# Altium PCB Monitoring.PcbDoc (continued)
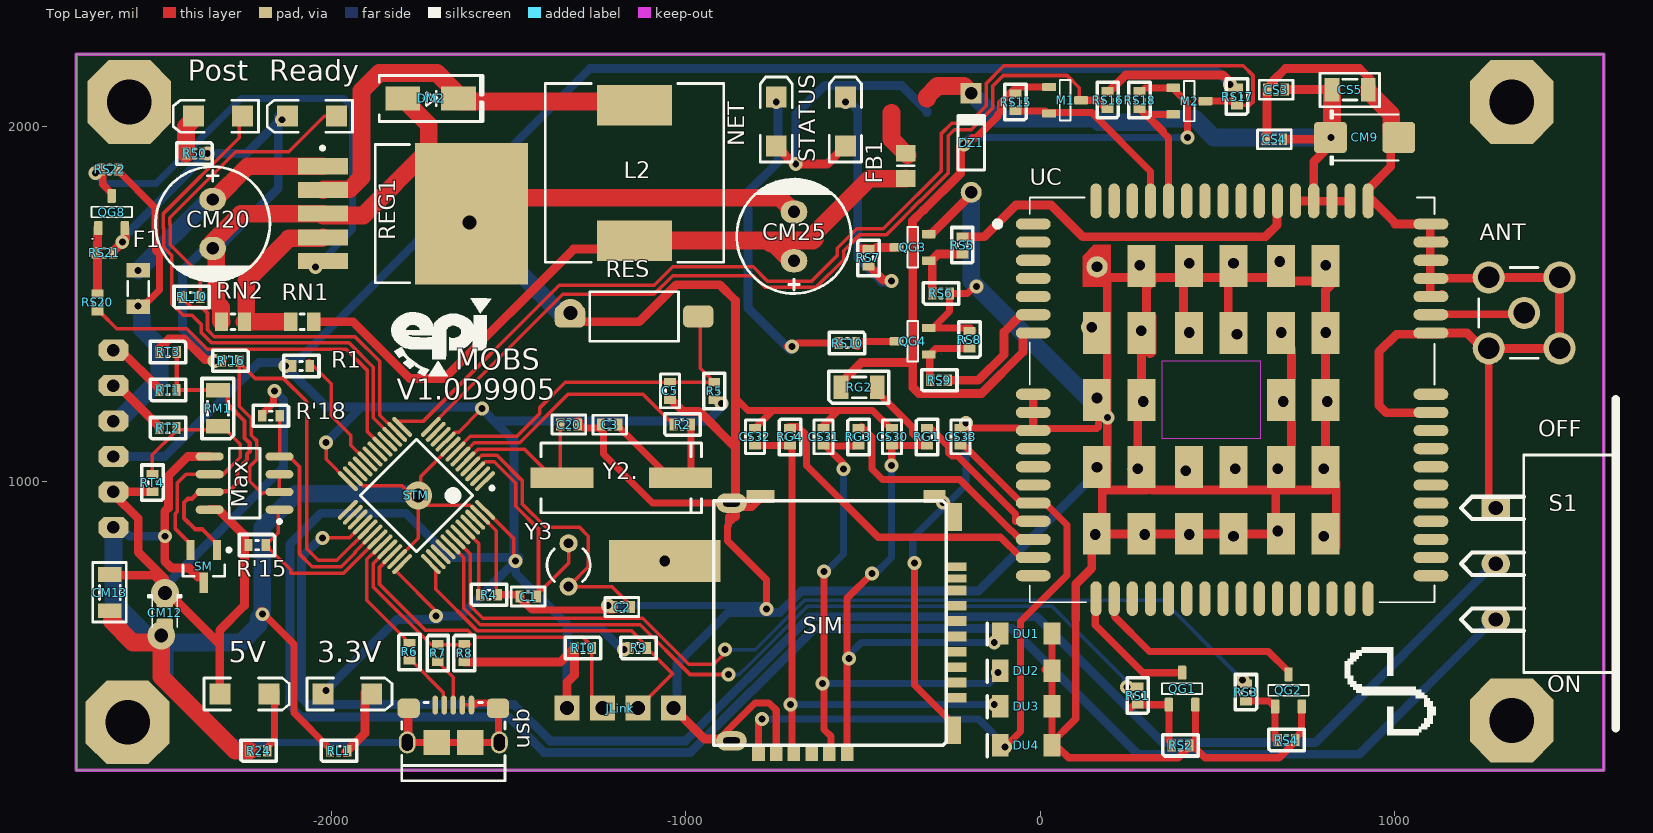
[diagram p0: Top Layer view]
## Footprints (in the part's own frame and the unit in brackets; to place one, negate y for a bottom-side part, rotate by r counter-clockwise, add the part's x,y. Pads: shape width x height; smd on the part's side, far side on the other; paste and mask are expansions set on the pad) (continued)
  oval 80x70 hole 40: 2(0,0) 3(0,-157.48)
  silkscreen extent -98,-465 339,465, body extent -69,-462 660,462, height 356
"TE FSMSMTR" [mm]
  rrect50% 1.6x2.19 smd: 1(0,4.595) 2(0,-4.595)
  silkscreen extent -1.78,-3.17 1.78,3.17, body extent -1.75,-4.98 1.75,4.98, height 4.42
TO-263-5 [mm]
  rect 3.6x1.15 smd: 1(-6.45,3.4) 2(-6.45,1.7) 3(-6.45,0) 4(-6.45,-1.7) 5(-6.45,-3.4)
  rect 8.1x10.15 smd paste-5: 6(4.2,0)
  silkscreen extent -6.6,-4.95 -0.25,4.95, body extent -7.31,-5.08 7.33,5.08, height 4.57
"XTAL RTC - Right" [mm]
  round 1.3 hole 0.7: 1(0,1.55) 2(0,-1.55)
  rect 8x3 hole 0.762 unplated: 3(6.878,0.276)
  silkscreen extent -1.55,-1.19 1.55,1.17, body extent -0.54,-1.44 10.23,2.01, height 3.1

## Part data
3.3V 5V NET Post Ready STATUS: library part LED, "Chip LED"
  NET Post Ready STATUS: Price=845
ANT: library part "RF Connector - SMA", Price=42500
C1 C2 C3 C5 C20 CM13 CS3 CS4 CS5 CS30 CS31 CS32 CS33: library part Cap-Bipolar, "Bipolar Capacitor", Voltage=100V
  C1 C2 CS4: ComponentLink1Description="Buy Link", ComponentLink1URL=http://nikushop.com/index.php?id_product=9021&controller=product&search_query=10PF-0603&results=1, Price=1173
  C3 C20 CS3 CS30 CS31 CS32: ComponentLink1Description="Buy Link", ComponentLink1URL=http://nikushop.com/index.php?id_product=9033&controller=product, Price=902
  C5 CS33: ComponentLink1Description="Buy Link", ComponentLink1URL=http://nikushop.com/index.php?id_product=13570&controller=product&search_query=1uF-0603&results=1, Price=2346
  CM13 CS5: Adding Date=1387/12/20, Designer="Saeid Jorablo", Organazation=ControTec
CM9 CM12: library part Cap-Polar, "Polar Capacitor", Voltage=16V, Adding Date=1387/12/20, Designer="Saeid Jorablo", Organazation=ControTec
CM20: library part Cap-Polar, "Polar Capacitor", Voltage=63V, Adding Date=1387/12/20, Designer="Saeid Jorablo", Organazation=ControTec
CM25: library part Cap-Polar, "Polar Capacitor", Voltage=25V, Adding Date=1387/12/20, Designer="Saeid Jorablo", Organazation=ControTec
DM2: library part "Diode 1N4148", "High Conductance Fast Diode", Code_JEDEC=DO-204-AH, ComponentLink1Description="Manufacturer Link", ComponentLink1URL=http://www.fairchildsemi.com/, ComponentLink2Description=Datasheet, ComponentLink2URL=http://www.fairchildsemi.com/ds/1N%2F1N4148.pdf, DatasheetVersion=1997, LatestRevisionDate=17-Jul-2002, LatestRevisionNote="Re-released for DXP Platform.", PackageDescription="Diode, Axial; Body 3.8 x 1.9 mm (LxDia. max), Lead Dia. 0.53 mm (max)", PackageReference=DO-35, Published=8-Jun-2000, Publisher="Altium Limited"
DU1 DU2 DU3 DU4: library part "Diode Zener", "Zener Diode"
DZ1: library part "D Zener", "Zener Diode", Voltage=5.1, Price=1840
F1: library part "Fuse 2", "Fuse", Current=0.5A, LatestRevisionDate=17-Jul-2002, LatestRevisionNote="Re-released for DXP Platform.", PackageDescription="Thru-Hole; 2 Leads", PackageReference=PIN-W2/E2.8, Published=8-Jun-2000, Publisher="Altium Limited"
FB1: library part Inductor, "Inductor", Code_IEC=1005, Code_JEITA=0402, LatestRevisionDate=29-May-2009, LatestRevisionNote="IPC-7351 Footprint Added.", PackageDescription="Chip Inductor", PackageReference=0805, Published=8-Jun-2000, Publisher="Altium Limited"
JLink: library part "Header 1*4"
M1 M2: library part 2N7002ET1G, Manufacturer="On Semiconductor", Package Type=SOT-23-3, Supplier Part Number 1=2N7002ET1GOSTR-ND, Channel Polarity="N Channel", Ciss Typ (pF)=26.7, ComponentLink1Description="Manufacturer URL", ComponentLink1URL=http://www.onsemi.com/, ComponentLink2Description=Datasheet, ComponentLink2URL=http://www.onsemi.com/pub_link/Collateral/2N7002E-D.PDF, ComponentLink3Description="Package Specification", ComponentLink3URL=http://www.onsemi.cn/pub_link/Collateral/318-08.PDF, Configuration=Single, Coss Typ (pF)=4.6, Crss Typ (pF)=2.9, DatasheetVersion="Rev. 3", ID Max (A)=0.31, Mounting Technology="Surface Mount", PackageDescription="3-Pin Small Outline Transistor, Body 2.92 x 1.3 mm, Pitch 0.95 mm", PackageReference=SOT-23-3-318-08, PackageVersion="Rev. AP, 11/2009", Packing="Tape and Reel", PartNumber=2N7002ET1G, RoHS=Pb-Free, Supplier 1=Digi-Key, Supplier 2=Digi-Key, Supplier 3=Digi-Key, Supplier 4=Farnell, Supplier 5=Farnell, Supplier 6=Newark, Supplier 7=Newark, Supplier 8=Mouser, Supplier Part Number 2=2N7002ET1GOSCT-ND, Supplier Part Number 3=2N7002ET1GOSDKR-ND, Supplier Part Number 4=2317895, Supplier Part Number 5=2317616, Supplier Part Number 6=09R9861, Supplier Part Number 7=50M2216, Supplier Part Number 8=863-2N7002ET1G, V(BR)DSS Min (V)=60, VGS(th) Max (V)=2.5, VGS Max (V)=20
Max: library part MAX485CPA, Price=14700
P1: "Header, 6-Pin, Right Angle", LatestRevisionDate=17-Jul-2002, LatestRevisionNote="Re-released for DXP Platform.", Publisher="Altium Limited"
QG1 QG2 QG3 QG4 QG8: library part NPN_MMBT3904, "Transistor SMD NPN 40V 0.2A 250mW SOT-23", Manufacturer 1="Fairchild Semiconductor", Manufacturer 2="NXP Semiconductors", Manufacturer Part Number 2=PMBT3904,215, Package / Case=SOT-23, Ratings="40V; 200mA; 250mW", Supplier Part Number 1=MMBT3904FSCT-ND, ComponentLink1Description=http://www.fairchildsemi.com/ds/MM/MMBT3904.pdf, ComponentLink1URL=http://www.fairchildsemi.com/ds/MM/MMBT3904.pdf, ComponentLink2Description=http://www.nxp.com/documents/data_sheet/PMBT3904.pdf, ComponentLink2URL=http://www.nxp.com/documents/data_sheet/PMBT3904.pdf, Manufacturer Part Number 1=BC848, Material=Si, Mounting Type="Surface Mount", SCDType=source, Supplier 1=Digi-Key, Supplier 2=Digi-Key, Supplier Part Number 2=568-1741-1-ND, Transistor Type=NPN
R1 R4 R5 R6 R7 R8 R9 R10 RG1 RG2 RG3 RG4: library part Resistor, "Resistor", ComponentLink1Description="Buy Link"
  R1 R4 R5 R9 R10: ComponentLink1URL=http://www.roboeq.ir/products/detail/%D9%85%D9%82%D8%A7%D9%88%D9%85%D8%AA%2010%20%DA%A9%DB%8C%D9%84%D9%88%20%D8%A7%D9%87%D9%85%20SMD%200603/, Price=394
  R6 R7 RG1 RG2 RG3 RG4: ComponentLink1URL="20R Resistor R5, R6 RES 0603 (1608X06L) Resistor 2 276 552 http://nikushop.com/index.php?id_product=13587&controller=product", Price=276
  R8: ComponentLink1URL=http://kaelectronic.ir/index.php?route=product/product&product_id=6863&search=15kohm+0603, Price=597
R2 R24 R50 R'15 R'16 R'18 RL1 RL10 RM1 RN1 RN2 RS1 RS2 RS3 RS4 RS5 RS6 RS7 RS8 RS9 RS10 RS15 RS16 RS17 RS18 RS20 RS21 RS22 RT1 RT2 RT3 RT4: library part Resistor, "Resistor", Power=1/4W
  R50: Price=276
  R'15 R'16 R'18 RM1 RS15 RS16 RS17 RS18 RT1 RT2 RT3 RT4: Price=394
  RN1: Price=506
  RN2: Price=680
REG1: library part LM2596, Price=5700
RES: library part "SPST-NO 2 PIN", ComponentLink1Description="Buy Link", ComponentLink1URL=https://eshop.eca.ir/%D8%AA%DA%A9-%D8%B3%D9%88%D8%A6%DB%8C%DA%86/6472-%D8%AA%DA%A9-%D8%B3%D9%88%D8%A6%DB%8C%DA%86-smd-%D8%B3%D8%A7%DB%8C%D8%B2-3x6x25-%D8%B2%D8%B1%D8%AF-%D8%A8%D8%B3%D8%AA%D9%87-10-%D8%AA%D8%A7%DB%8C%DB%8C.html, Price=1900
S1: "Subminiator SPDT Switch", Company=E.P.I.L, Design Date=2011/11/02
STM: "STM32 ARM-based 32-bit MCU with 128 Kbytes Flash, 48-pin LQFP, Industrial Temperature", ComponentLink1Description="Manufacturer Link", ComponentLink1URL=www.st.com/stm32, ComponentLink2Description=Datasheet, ComponentLink2URL=http://www.st.com/stonline/products/literature/ds/13587.pdf, DatasheetVersion="rev6, Mar-2008", PackageDescription="48-Pin Low-Profile Quad Flat Pack, 7 x 7 mm Body, 0.5 mm Pitch (LQFP48)", PackageReference=LQFP48, PackageVersion=Mar-2008, Published=30-May-2008, Publisher="Altium Limited"
usb: library part "USB 2.0 Type B Micro", ComponentLink1Description="Buy Link", ComponentLink1URL=http://nikushop.com/index.php?id_product=11066&controller=product, Price=14934
Y2. Y3: library part XTAL, "XTAL Crystal"
  Y2.: Price=20000
  Y3: ComponentLink1Description="Buy Link", ComponentLink1URL=http://www.roboeq.ir/products/detail/%DA%A9%D8%B1%DB%8C%D8%B3%D8%AA%D8%A7%D9%84%2032.768%20%DA%A9%DB%8C%D9%84%D9%88%D9%87%D8%B1%D8%AA%D8%B2/, Price=5900
L2: Code_IEC=1005, Code_JEITA=0402, LatestRevisionDate=29-May-2009, LatestRevisionNote="IPC-7351 Footprint Added.", PackageDescription="Chip Inductor", PackageReference=0402-A, Published=8-Jun-2000, Publisher="Altium Limited"
SIM: Price=166770

## Free pads (board coordinates)
  oct 236.22x236.22 hole 125.98: 0(-2575,320) 0(-2570,2070) 0(1330,325) 0(1330,2070)
  round 60 hole 30: 1(805,1610) 2(675,1620) 3(545,1615) 4(420,1615) 5(280,1610) 6(160,1605) 7(145,1435) 8(285,1425) 9(420,1420) 10(555,1415) 11(680,1420) 12(805,1420) 13(810,1225) 14(685,1225) 15(290,1225) 16(160,1235) 17(160,1040) 18(275,1035) 19(410,1030) 20(550,1035) 21(670,1035) 22(800,1035) 23(800,845) 24(670,860) 25(545,845) 26(420,850) 27(295,850) 28(155,850)

## Via types
v1: diameter 39.37, hole 19.68, Top Layer to Bottom Layer, 52 vias
v2: diameter 78.74, hole 39.37, Top Layer to Bottom Layer, 5 vias

## Nets (pads, with @x,y where several pads share a name; then routed paths per layer and width w, separated by ;. In a path a pad name is that pad's centre, name@x,y a point inside that pad or via, vN(x,y) a via of type N, cw(c..) or ccw(c..) an arc to the next point about the centre after c; other vN are vias at no path point)
3.3v: 3.3V.1 JLink.4 P1.4 R1.1 R5.1 R8.2 R9.1 R10.2 RS16.2 RS17.2 S1.3 STM.9 STM.24 STM.36 STM.48 | length 13437.6
  Top Layer w10: v1@-2015,1100 -2015,1061.89 STM.24 ; STM.36 -1818.51,748.38 -1818.51,747.19 v1@-1700,628.68 ; STM.9 -1677.39,1111.72 -1650.25,1138.85 -1641.15,1138.85 v1@-1580,1200 ; STM.48 -1485,838.11 v1@-1485,775
  Top Layer w25: R8.2@-1625,490 -1353.99,490 -1318.22,525.77 -1314.68,525.77 R10.2@-1313.99,526.46 ; JLink.4@-1335,365 -1335,432.93 -1313.99,453.94 R10.2@-1313.99,526.46 ; R10.2 R10.2@-1313.99,526.46 ; RS16.2@195,2100 241.75,2146.75 514.7,2146.75 RS17.2@551.46,2110
  Bottom Layer w25: P1.4 -2470,1070 -2205,1335 -2140,1335 -2130,1345 -2090,1345 -1270.37,2164.63 490.37,2164.63 v1(535,2120) ; v1(-2130,1325) -2015,1210 -1915,1210 ; v1(-2015,1110) -1915,1210 ; v1@-2005,405 -2005,420.75 -1815.75,610 v1@-1700,610 ; v1(-1705,620) -1635,620 -1485,770 v1@-1485,785 ; v1@-1580,1210 -1915,1210 ; v1(-1575,1205) -1540,1170 ; v1(-1480,775) -1480,740 -1335,595 -1335,585 ; v1@-1470,785 v1@-1485,785 ; JLink.4@-1325,375 -1327.07,375 -1335,382.93 -1335,585 ; v1@-1185,530 -1240,585 -1335,585 ; v1@-895,1215 -940,1170 -1540,1170 ; S1.3 1280,610.04 899.96,230 275,230 -80.06,585.06 -214.94,585.06 -215,585 -636.46,585 -811.46,410 -812.39,410 -987.39,235 -1400,235 -1500,335 -2085,335 -2118.29,368.29 -2118.29,389 -2117.13,390.17 -2117.13,822.87 -2030,910 -1789.49,910 -1664.49,785 v1@-1485,785 ; -1540,1170 -1485,1115 v1@-1485,785
  other v1: -2015,410 -1175,525 -900,1220
9V: F1.2 P1.3 RS22.1 | length 865
  Top Layer w20: RS22.1 -2601.01,1875.08 -2497.87,1771.94 -2497.87,1662.18 -2495.75,1660.06 -2495.75,1650.58 -2485,1639.83 -2485,1540 F1.2@-2535,1490
  Bottom Layer w50: P1.3 -2602.14,1170 -2485,1287.14 -2485,1380 -2535,1430 -2535,1480 v1@-2545,1490
  other v1: -2545,1495
485+_Comm: Max.6 RM1.1 RT2.2 RT4.2 SM.2 | length 770.6
  Top Layer w10: RT4.2 -2505,1075 -2443.83,1136.17 -2443.83,1138.27 -2437.09,1145 RT2.2@-2435,1145 ; RT2.2@-2430,1145 -2330,1145 RM1.1 -2307.2,1155 -2257.2,1105 -2257.2,1067.8 Max.6@-2310,1015 ; SM.2 -2397.4,822.99 -2440,865.59 -2440,909.12 -2434.63,914.49 -2434.63,995.37 -2410,1020 -2355,1020 Max.6@-2350,1025
485-_Comm: Max.7 RM1.2 RT1.2 RT3.1 SM.1 | length 863.1
  Top Layer w12: RT3.1 -2436.01,1256.01 RT1.2@-2434.35,1254.35 ; RT1.2@-2430,1250 RT1.2@-2434.35,1254.35 ; Max.7@-2375,970 -2375,969.13 -2393.32,950.81 -2404.95,950.81 -2415.75,940 -2415.75,895.75 -2385,865 -2364.61,865 -2322.6,822.99 SM.1 ; Max.7@-2325,970 -2322.78,972.22 -2287.78,972.22 -2265,995 -2265,1033.31 -2238.33,1059.98 -2238.33,1076.67 -2230,1085 -2230,1107.5 -2245,1122.5 -2245,1170 -2292.54,1217.54 -2292.54,1242.54 -2307.2,1257.2 RM1.2 -2320.3,1257.5 -2431.2,1257.5 RT1.2@-2434.35,1254.35
A11: R6.1 STM.32 | length 342.5
  Top Layer w10: STM.32@-1860.98,815.98 -1881.89,795.07 -1884.93,795.07 -1900,780 -1900,663.99 -1791.73,555.72 -1791.73,550.8 -1784.92,543.99 R6.1
A12: R7.1 R8.1 STM.33 | length 458.3
  Top Layer w10: STM.33@-1845,805 -1845.4,805 -1882.13,768.28 -1882.13,701.85 -1802.26,621.99 -1801.99,621.99 -1720,540 R7.1 -1699.5,539.5 -1610.5,539.5 R8.1@-1610,540
A15: STM.38
B12: STM.25
B13: STM.26
B14: STM.27
B15: S1.2 STM.28 | length 4523.6
  Top Layer w10: v1@-2020,835 -2014.18,840.82 -1948.78,840.82 STM.28
  Bottom Layer w25: v1@-2027.5,842.5 -2084.25,785.75 -2084.25,389 -2065.19,369.94 -1484.94,369.94 -1382.87,267.87 -1001.01,267.87 -826.01,442.87 -825.08,442.87 -650.02,617.93 -9.59,617.93 345.47,262.87 775.35,262.87 1280,767.52 S1.2
  other v1: -2025,840
C13: Post.1 STM.15 | length 1507.2
  Top Layer w10: -2475,1715 -2475,1753.95 -2260,1968.95 Post.1@-2260,2035 ; -2472.87,1715 -2472.87,1660.06 -2450,1637.18 -2450,1500 -2418.25,1468.25 -2393.25,1468.25 -2367.43,1442.43 -2367.43,1419.69 -2338.17,1390.43 -1950.43,1390.43 -1881.52,1321.52 -1881.52,1178.95 STM.15
ChA_Mon: P1.2 RT2.1 | length 173.7
  Top Layer w25: P1.2@-2610,1265 -2597.46,1265 -2486.01,1153.54 RT2.1
ChB_Mon: P1.1 RT1.1 | length 157.7
  Top Layer w25: P1.1@-2594.96,1370 -2486.01,1261.04 RT1.1
Co1: STM.2
CS485_Comm: Max.2 Max.3 R'16.1 STM.29 | length 1401.6
  Top Layer w10: R'16.1@-2260,1335 -2259.92,1335 -2257.46,1332.54 -2214.92,1290 -2135,1290 -2070,1225 -2070,810 -2037.02,777.02 -1984.74,777.02 STM.29 ; R'16.1@-2255,1335 -2260,1330 -2260,1211.69 -2226.13,1177.82 -2226.13,1130.32 -2211.13,1115.32 -2211.13,1060.49 -2230,1041.62 -2230,1000 -2195,965 -2192.61,967.39 -2142.61,967.39 Max.2@-2140,970 ; Max.2@-2150,975 -2147.87,975 -2146.57,976.29 Max.3 ; STM.29@-1897.16,863.32 STM.29@-1890.24,870.24
GND: ANT.G C1.1 C2.1 C3.2 C5.2 C20.2 CM9.2 CM12.2 CM13.2 CM20.2 CM25.2 CS3.2 CS4.2 CS5.2 CS30.2 CS31.2 CS32.1 CS33.2 DM2.1 DU1.1 DU2.1 DU3.1 DU4.1 DZ1.1 JLink.1 Max.5 P1.6 pad.1 pad.2 pad.3 pad.4 pad.5 pad.6 pad.7 pad.8 pad.9 pad.10 pad.11 pad.12 pad.13 pad.14 pad.15 pad.16 pad.17 pad.18 pad.19 pad.20 pad.21 pad.22 pad.23 pad.24 pad.25 pad.26 pad.27 pad.28 QG1.2 QG2.2 QG3.2 QG4.2 QG8.2 R4.2 R24.1 R50.1 R'16.2 Ready.2 REG1.3 REG1.6 RES.1 RL1.1 RN2.2 RS2.2 RS4.2 RS6.2 RS8.2 RS21.2 RT3.2 S1.1 SIM.0 SIM.C5 SM.3 STM.8 STM.23 STM.35 STM.47 UC.8 UC.42 UC.44 UC.45 UC.46 UC.47 UC.48 UC.49 UC.65 UC.67 UC.68 UC.81 UC.82 UC.83 UC.84 UC.85 UC.86 UC.87 UC.88 UC.89 UC.90 UC.91 UC.92 UC.93 UC.94 UC.95 UC.96 UC.97 UC.98 UC.99 UC.100 UC.101 UC.102 UC.103 UC.104 UC.105 UC.106 UC.107 UC.108 usb.4 usb.5 usb.S | length 28792.6
  Top Layer w10: STM.23 -1939.07,1014.29 -1911.94,987.15 -1800.76,987.15 v2@-1783.6,970 ; STM.35 -1755,839.73 v2@-1755,950 ; v2@-1747.39,977.61 -1747.39,1014.37 STM.8 ; v2@-1732.85,932.85 -1608.06,932.85 -1580.93,905.71 STM.47 ; usb.4 -1629.25,370 usb.5@-1610,370 ; STM.47@-1580,905 -1579.73,905 -1535,860.27 R4.2@-1535,680
  Top Layer w20: v1@-2200,635 -2105,540 -2105,345.93 -2003.99,244.92 RL1.1 ; usb.S@-1785.91,263.54 -1703.23,263.54 -1608.74,263.54 -1533.19,263.54 usb.S@-1528.03,258.38 ; -1595,370 -1590,375 -1545,375 -1530,360 -1528.03,358.03 usb.S@-1528.03,258.38 ; R4.2@-1530,680 C1.1@-1471.31,680 ; C1.1@-1465,680 -1465,665.68 -1435.82,636.5 C2.1@-1203.5,636.5 ; C20.2@-1300,1170 -1305.5,1170 -1305.5,1166.81 -1288.69,1150 -1245,1150 -1232.5,1137.5 -1232.5,1077.5 -1093.74,938.74 -871.38,938.74 -864.66,945.46 -822.14,945.46 -810.16,957.44 SIM.0@-789.49,957.44 ; JLink.1@-1040,355 JLink.1@-1030,355 ; SIM.0@-898.6,278.95 -881.05,278.95 SIM.0@-880,280 ; SIM.0@-890,283.7 -890,290 -805,375 -765,375 -745,355 SIM.C5 ; -880,900 -880,876.02 -882.52,873.5 -882.52,832.21 -772.52,722.21 v1(-772.52,639.21) ; -870,890 -870,900 ; SIM.0@-860,926.3 -813.58,926.3 SIM.0@-785.96,953.92 ; -860,1235 -859.94,1234.94 -825,1200 -755,1200 ; CS32.1@-800,1155 -755,1200 ; CS31.2@-615,1155 -570,1200 ; CS30.2 -423.25,1150.09 -473.17,1200 -570,1200 ; v1(-355,770) -355,425.12 -255,325.12 SIM.0@-255,295 ; QG4.2 QG4.2@-302.6,1432.4 ; SIM.0@-299.49,957.44 -290.79,948.74 -274.09,948.74 -242.44,917.09 SIM.0@-242.44,899.37 ; CS33.2 -63.43,1150.09 -58.35,1145 UC.8@-40,1145 ; RS8.2@-190,1425 -197.4,1432.4 QG4.2@-302.6,1432.4 ; v1(-180,1550) -185.24,1550 -205.24,1530 RS6.2 -256.01,1478.99 QG4.2@-302.6,1432.4 ; UC.8@4.69,1148.54 159.65,1148.54 164.69,1153.58 164.69,1165 ; UC.68@4.69,1194.53 UC.68@9.88,1199.72 ; DU2.1@12.84,467.84 DU2.1@12.84,470.49 ; DU4.1@20,255 32.84,267.84 DU3.1 DU2.1 DU1.1 ; 100,610 100,330 29.16,259.16 26.66,256.66 25.23,255.23 36.46,244 56,244 80,220 389.92,220 420,250.08 RS2.2 ; QG1.2 437.4,272.4 RS2.2 ; RS4.2@720,265 718.91,265 673.91,220 465,220 430,255 RS2.2 ; RS4.2@720,275 720,275.93 737.4,293.33 QG2.2 ; ANT.G@1250,1360 1265,1345 1265,945 S1.1 ; usb.S@-1528.03,258.38 -1525,255.35 -1525,255 -1528.03,258.03 usb.S@-1528.03,258.38 ; -755,1200 -570,1200
  Top Layer w25: RS21.2 -2616.01,1648.54 -2580,1684.55 QG8.2@-2580,1710 ; RT3.2@-2485,1375 -2457.89,1402.11 -2415.76,1402.11 -2356.4,1342.75 -2331.13,1342.75 -2330,1343.88 -2326.12,1340 R'16.2 ; v1@-2475,845 v1(-2470,845) -2465,845 -2470,850 -2470,915 -2460,925 -2460,1015 -2405,1070 Max.5 ; v1@-2470,840 -2470,775 -2450,755 -2401.26,755 -2376.04,729.78 -2360.69,729.78 -2360,729.09 SM.3 ; usb.S@-1790,265 -1783.94,271.06 -1783.94,358.03 usb.S@-1781.97,360 ; RES.1@-1334.78,1478.88 RES.1@-1328.41,1472.5 ; RES.1@-1330.91,1470 RES.1@-1325.91,1465 ; RES.1@-1320,1450 -1131.3,1450 -1026.66,1554.64 -904.64,1554.64 -860,1510 -860,1236.65 -859.94,1236.59 -859.94,1234.94 -859.94,1203.41 -860,1203.35 -860,1095 ; C5.2 -1041.46,1230.5 -1008.06,1197.11 -962.11,1197.11 -860,1095 ; JLink.1@-1030,355 -948.24,273.24 -877.14,273.24 SIM.0@-871.38,267.48 ; -860,900 SIM.0@-860,926.3 ; SIM.0@-860,955.46 -860,1095 ; QG3.2 -308.23,1697.4 -203.82,1801.81 -196.81,1801.81 DZ1.1@-195,1800 ; UC.8@-25,1145 -21.23,1145 -20,1146.23 UC.68 UC.67 ; 100,610 100,710.14 145,755.14 145,850.35 144.33,851.02 pad.28@174.69,851.02 ; UC.104 185,1581.93 185,1580 ; pad.28@174.69,830 pad.28@174.69,851.02 ; 189.02,975 299.69,975 ; 189.02,1561.93 189.02,995 174.69,980.67 pad.28@174.69,851.02 ; 190,1575 UC.95@404.17,1575 ; pad.15@275,1225 pad.18 275,1004.69 299.69,980 ; 299.37,1484.37 300,1485 300,1546.93 UC.99@315,1561.93 ; pad.15@304.69,1241.17 285,1260.86 285,1363.83 304.69,1383.51 UC.100@304.69,1454.68 ; UC.100@309.69,1360 315,1365.32 UC.100@315,1465 ; 315,975 664.02,975 ; UC.96@395,1390 404.17,1399.17 UC.95@404.17,1575 ; pad.4@404.17,1606.93 UC.95@404.17,1575 ; UC.92@530,1390 530.16,1390.16 UC.91@530.16,1575 ; pad.3@530.16,1606.93 UC.91@530.16,1575 ; CS4.2@640,1970 640,2104.5 CS3.2 640.5,2108.54 657.31,2125.35 657.31,2130.17 691.77,2164.63 900.37,2164.63 CS5.2@930,2135 ; pad.21@664.02,1020 664.02,975 ; UC.86@704.69,1565 831.61,1565 805,1538.39 pad.12 805,984.69 814.69,975 708.7,975 ; UC.86@705.16,1565.47 695.63,1575 UC.91@530.16,1575 ; UC.87@708.7,1372.95 708.7,975 ; UC.85@834.69,815 UC.84@834.69,995 ; UC.49 924.88,1824.33 988.76,1888.21 988.76,1938.21 1020.55,1970 CM9.2@1025,1970 ; UC.49@935,1795 1004.09,1725.91 UC.48@1098,1725.91 ; 1000,1725.04 UC.48@1087.24,1725.04 ; UC.65@1087.24,1193.54 976.46,1193.54 955,1215 955,1365 1005,1415 UC.42@1120,1415 ; UC.45@1088.49,1572.74 UC.45@1100,1572.74 ; UC.44@1100,1530 UC.45@1100,1572.74 ; UC.47 UC.47@1100,1672.68 ; UC.48 UC.48@1098,1725.91 ; UC.42@1120,1417.95 1204.29,1417.95 ANT.G@1247.24,1375 ; UC.44@1131.93,1526.5 UC.44@1133.17,1527.74 ; UC.47@1131.93,1677.24 UC.47@1134.69,1680 ; ANT.G@1255,1580 1247.74,1572.74 UC.45@1100,1572.74 ; ANT.G@1260,1365 1270,1375 1465,1375 1465,1575 ANT.G@1265,1575 ; pad.28@174.69,851.02 664.02,851.02 664.02,975 ; UC.95@404.17,1575 UC.91@530.16,1575 ; 664.02,975 708.7,975 ; UC.48@1098,1725.91 1100,1723.91 UC.47@1100,1672.68 ; UC.45@1100,1572.74 UC.47@1100,1672.68
  Top Layer w50: -2620,605 -2560,545 -2480,545 -2480,448.66 -2271.34,240 R24.1 ; CM20.2@-2337.8,1672.2 -2255,1755 REG1.3 ; CM20.2@-2325,1659.41 -2325,1503.84 -2311.68,1490.52 -2311.68,1451.72 RN2.2 ; REG1.3@-2023.94,1750 -1910,1750 -1725,1935 -1725,2006.26 DM2.1 ; REG1.6 -1604.65,1795.35 -1600,1800 -735,1800 CM25.2 ; CS5.2 925,2100.87 990.2,2035.67 990.2,1989.29 999.49,1980 CM9.2@1005,1980
  Bottom Layer w20: v2@-2505,550 v2@-2497.5,557.5 ; v2@-2455,545 -2455,425 -2293.54,263.54 usb.S@-1785.91,263.54 ; CM20.2@-2345,1670 -2340,1665 CM20.2@-2330,1655 ; v1(-1220,650) -788.55,650 -778.55,640 v1@-775,640 ; v1@-360,775 -360,840 -210,990 v1(-210,1165)
  Bottom Layer w25: P1.6 -2595,870 -2570,845 v1(-2470,845) ; v1(-2590,1675) -2590,1685 v1(-2350,1925) -2239.25,1925 v1@-2150,2014.25 ; v1@-2357.75,1922.25 -2356.64,1922.25 -2355,1923.89 v1@-2355,1925 ; CM20.2@-2355,1655 -2360,1655 -2420,1595 -2420,1430 v1(-2330,1340) ; CM20.2@-2340,1665 CM20.2@-2332.2,1665 ; CM20.2@-2312.2,1665 -2150,1827.2 v1@-2150,2014.25 ; v1@-2150,2030 v1@-2150,2014.25 ; JLink.1@-1025,370 -1025,485 -880,630 v1@-775,630 ; SIM.0@-887.13,267.48 SIM.0@-871.38,267.48 ; v1@-772.52,630 -745,630 ; -735,630 -674.63,690.37 -175,690.37 189.69,1055.06 v1(189.69,1180) 189.69,1180.31 pad.16@140,1230
  Bottom Layer w50: P1.6@-2620,870 -2615,865 -2615,660 v2@-2505,550 ; P1.6 P1.6@-2610.36,865.36 ; v2@-2500,560 -2497.5,557.5 -2485,545 -2455,545 -2255,545 -2205,595 v1@-2205,615 ; v1(-2195,625) -2195,870 -2100,965 v2@-1770,965 ; v2(-1610,1730) -1345.5,1465.5 -1330.5,1465.5 v2@-1325,1460 ; DZ1.1 -195,1565 v1(-180,1550) pad.16@140,1230
  other v1: -275,940 -2140,2020
  other v2: -2480,565 -1755,960 -1325.91,1475
GSM_ANT: ANT.S UC.43 | length 284.2
  Top Layer w20: UC.43@1087.24,1469.13 1089.44,1471.33 1102.91,1471.33 1368.67,1471.33 ANT.S@1370,1470
LEDGSM: RL10.1 STM.14 | length 881.2
  Top Layer w10: RL10.1@-2415,1511.09 -2394.31,1490.39 -2365.12,1490.39 -2349.55,1474.83 -2349.55,1427.1 -2330.77,1408.31 -1933.31,1408.31 -1863.64,1338.64 -1863.64,1186.36 -1843.98,1166.69 -1842.7,1166.69 -1814.93,1138.92 STM.14@-1808,1132
Net3.3V_2: 3.3V.2 RL1.2 | length 192.8
  Top Layer w25: RL1.2@-1960,235 RL1.2 -1905,290 3.3V.2@-1905,405
Net5V_2: 5V.2 R24.2 | length 185.4
  Top Layer w20: R24.2@-2180,235 -2180,245.93 -2178.46,247.46 -2178.46,251.54 -2160,270 -2160,370 -2155,375 5V.2@-2155,410
NetC1_2: C1.2 STM.3 Y3.1 | length 661.4
  Top Layer w10: STM.3@-1588.14,1033.14 -1565.95,1055.34 -1540.34,1055.34 -1480,995 -1480,929.72 -1415.76,865.49 C1.2@-1415.76,684.66 ; C1.2@-1420,680 -1420,680.43 C1.2@-1415.76,684.66 ; Y3.1 -1330.8,769.62 C1.2@-1415.76,684.66
NetC2_2: C2.2 STM.4 Y3.2 | length 841.5
  Top Layer w10: STM.4@-1607.06,1042.06 -1575.91,1073.21 -1532.93,1073.21 -1462.13,1002.4 -1462.13,937.13 -1395,870 -1300,870 -1275,845 -1275,758.9 -1325,708.9 -1325,700 -1321.93,703.07 -1208.65,703.07 -1155.5,649.92 C2.2 ; C2.2@-1155,650 C2.2@-1154.74,650.26
NetC3_1: C3.1 R2.2 Y2..1 | length 403.6
  Top Layer w20: C3.1 -1190.5,1155.08 Y2..1@-1037.71,1002.29 ; Y2..1@-1030,1010 Y2..1 -1005.54,1010 -986.01,1029.53 R2.2
NetCM20_1: CM20.1 F1.1 REG1.1 | length 637.8
  Top Layer w50: CM20.1@-2330,1795 -2236.14,1888.86 REG1.1
  Bottom Layer w50: v1(-2545,1595) -2345,1795 CM20.1
NetCM25_1: CM25.1 FB1.1 L2.2 RN1.1 | length 2050.4
  Top Layer w25: RN1.1 -1939.12,1450 -1779.12,1290 -1681.58,1290 -1316.58,1655 -1218.27,1655 -1203.27,1670 L2.2@-1200,1670
  Top Layer w50: L2.2@-1190,1665 L2.2@-1145,1665 ; L2.2 -641.22,1679.06 -635,1685.28 -635,1700.97 -482.56,1853.41 -381.16,1853.41 FB1.1 ; -760,1670 -751.85,1670 -704.06,1622.2 CM25.1
NetCS30_1: CS30.1 DU1.2 RG1.2 RG2.2 SIM.C7 | length 1667.8
  Top Layer w20: SIM.C7@-545,245 -545,500 -545,670 v1(-475,740) ; RG2.2 -460,1252.2 -360,1152.2 -360,1135 -330,1105 RG1.2@-320,1105 ; v1@-420,1050 -419.17,1050.83 -419.17,1100.26 CS30.1 -321.09,1101.09 RG1.2@-320,1100
  Bottom Layer w20: v1@-550,500 -505,545 v1(-130,545) ; v1@-470,735 -420,785 v1(-420,1045)
  other v1: -540,500
NetCS31_1: CS31.1 DU2.2 RG3.2 SIM.C3 | length 1541.5
  Top Layer w20: CS31.1 -606.75,1101.09 CS31.1@-605.65,1100 ; v1(-610,745) -610,430 -610,300 -590,280 -590,240 SIM.C3 ; v1@-555,1030 v1(-555,1035) -555,1049.35 CS31.1@-605.65,1100 ; RG3.2@-520,1100 CS31.1@-605.65,1100 ; DU2.2@-117.84,465.49 DU2.2@-117.84,473.37
  Bottom Layer w20: v1(-615,430) -145,430 v1@-115,460 ; v1@-610,740 -555,795 v1(-555,1035)
  other v1: -120,460
NetCS32_2: CS32.2 DU3.2 RG4.2 SIM.C2 | length 1570.3
  Top Layer w20: CS32.2 -711.09,1101.09 RG4.2@-705,1095 ; RG4.2 -702.52,1101.09 -700.71,1099.28 -700.71,370 -700.71,248.43 -697.29,245 SIM.C2@-690,245 ; SIM.C2@-699.49,242.44 SIM.C2@-695,237.95 ; DU3.2@-122.84,365.49 DU3.2@-122.84,373.37
  Bottom Layer w20: v1(-705,370) -135,370 v1@-125,380
  other v1: -130,370
NetDM2_2: DM2.2 L2.1 REG1.2 | length 1215
  Top Layer w50: REG1.2 -2021.58,1824.29 -1948.51,1824.29 -1915,1857.8 -1915,2102.13 -1865,2152.13 -1702.13,2152.13 -1645,2095 DM2.2@-1645,2085 ; DM2.2 -1632.8,2071.54 -1131.54,2071.54 L2.1@-1125,2065
NetLight: RS9.2 UC.6 | length 358.8
  Top Layer w25: RS9.2@-265,1285 RS9.2 -175,1285 -102.5,1357.5 -102.5,1420.96 -53.46,1470 UC.6
NetNET_2: NET.2 RS10.2 | length 941.1
  Top Layer w20: v1@-715,1380 v1(-700,1380) -694.25,1380 -684.25,1390 -570,1390 RS10.2@-565,1385
  Bottom Layer w25: v1@-740,2070 -740,1900 -825,1815 -825,1490 v1@-705,1370
  other v1: -745,2070
NetPost_2: Post.2 R50.2 | length 96.2
  Top Layer w50: R50.2 -2410,2000 Post.2@-2395,2015
NetQG1_1: QG1.1 RS1.1 RS2.1 | length 234.4
  Top Layer w20: 255,360 258,363 264.72,369.72 QG1.1 362.6,268.33 370,260.93 RS2.1@370,250
NetQG2_1: QG2.1 RS3.1 RS4.1 | length 186.7
  Top Layer w20: RS3.1 645,380 QG2.1@662.6,362.4 ; RS4.1@665,270 662.6,272.4 QG2.1@662.6,362.4 ; QG2.1@665,360 QG2.1@662.6,362.4
NetQG3_1: QG3.1 RS5.1 RS6.1 | length 183.7
  Top Layer w25: QG3.1@-310,1620 -305,1615 RS6.1 ; QG3.1@-305,1625 -288.99,1641.01 RS5.1
NetQG3_3: QG3.3 RS7.1 | length 102.1
  Top Layer w25: -509.31,1655.69 -466.77,1655.69 -462.46,1660 QG3.3@-410,1660 ; RS7.1@-495,1656.01 RS7.1@-494.31,1656.7
NetQG4_1: QG4.1 RS8.1 RS9.1 | length 201.5
  Top Layer w20: QG4.1@-315,1355 QG4.1@-313.01,1356.99 ; RS9.1@-310,1280 -311.81,1281.81 -311.81,1355.79 QG4.1@-313.01,1356.99 ; RS8.1 -295,1375 QG4.1@-313.01,1356.99
NetQG4_3: QG4.3 RS10.1 | length 115.9
  Top Layer w20: RS10.1@-515,1380 -500,1395 QG4.3
NetQG8_1: QG8.1 RS20.1 RS21.1 | length 186
  Top Layer w25: RS20.1 QG8.1@-2660,1715
NetR1_2: R1.2 STM.20 | length 355.1
  Top Layer w10: R1.2@-2065,1340 -2060.93,1340 -2059.2,1338.27 -2059.2,1334.2 -2000,1275 -2000,1185 -1945,1130 -1945,1102.02 STM.20@-1899.02,1056.04
NetR4_1: R4.1 STM.44 | length 188
  Top Layer w10: STM.44@-1614.76,855.24 -1583.99,824.47 R4.1@-1583.99,680
NetR6_2: R6.2 usb.2 | length 167.2
  Top Layer w10: R6.2 -1775.08,495 -1685,404.92 usb.2@-1685,370
NetR7_2: R7.2 usb.3 | length 137.5
  Top Layer w10: R7.2 -1695.08,491.01 -1688.27,484.2 -1688.27,479.28 -1655.98,446.99 -1655.98,375.98 usb.3@-1655,375
NetReady_1: Ready.1 RL10.2 | length 818.7
  Top Layer w10: -2456.01,1725 -2456.01,1743.99 -2270,1930 -2120,1930 -2020,2030 Ready.1@-2015,2030 ; -2455,1725 -2455,1667.46 -2370,1582.46 RL10.2
NetREG1_4: REG1.4 RN1.2 RN2.1 | length 477
  Top Layer w50: RN2.1 -2135,1450 ; RN2.1@-2240,1465 -2240,1565 -2119.29,1685.71 -2026.3,1685.71 REG1.4
NetRS1_2: RS1.2 STM.41 | length 2328.1
  Top Layer w10: STM.41 -1626.55,784.79 -1626.55,641.83 -1580.47,595.75 -1129,595.75 -988.25,455 v1(-880,455)
  Bottom Layer w10: v1(-880,455) -849.77,455 -836.52,468.25 -835.59,468.25 -656.71,647.13 32.87,647.13 235,445 v1@235,415
  other v1: 245,420
NetRS3_2: RS3.2 STM.42 | length 2601.4
  Top Layer w10: STM.42 -1608.68,794.76 -1608.68,649.23 -1573.07,613.62 -1121.59,613.62 -991.49,483.51 -921.49,483.51 v1@-885,520
  Bottom Layer w10: v1(-890,525) -804.12,525 -664.12,665 345,665 555,455
  other v1: 570,440
NetRS7_2: RS7.2 STATUS.2 | length 673.1
  Top Layer w25: RS7.2 -481.46,1606.01 -443.2,1567.75 -417.75,1567.75 v1@-415,1565
  Bottom Layer w25: v1@-550,2081.26 -515,2046.26 -515,1630 -447.5,1562.5 -447.75,1562.25 -426.64,1562.25 -425,1563.89 v1@-425,1565
  other v1: -420,1565 -550,2070
NetRS20_2: RS20.2 STM.17 | length 1061.5
  Top Layer w10: RS20.2@-2660,1475 -2650.08,1475 -2605.08,1430 -2407.77,1430 -2350.33,1372.56 -1957.84,1372.56 -1899.39,1314.11 -1899.39,1141.15 STM.17
OSCIN: C20.1 STM.5 Y2..2 | length 584.6
  Top Layer w10: STM.5@-1615.98,1060.98 -1585.88,1091.08 -1456.08,1091.08 -1399.53,1034.53 -1374.17,1034.53 -1357.32,1017.68 Y2..2 -1290.59,1010 Y2..2@-1266.06,985.47 ; Y2..2@-1375,1000 -1354.5,1020.5 C20.1@-1354.5,1170
OSCOUT: R2.1 STM.6 | length 711.7
  Top Layer w10: STM.6 -1597.12,1108.96 -1469.01,1108.96 -1332.97,1245 -1120,1245 -1046.73,1171.73 -1041.81,1171.73 -1035,1164.92 R2.1
PWRCRL: QG8.3 REG1.5 RS22.2 | length 1426
  Top Layer w20: RS22.2@-2645,1875 -2645,1837.87 -2620,1812.87 QG8.3
  Bottom Layer w20: v1@-2670,1870 -2640,1840 -2495,1840 -2255,2080 -1965,2080 -1940,2055 -1940,1710 v1(-2045,1605)
  other v1: -2665,1870
PWRKEY: QG2.3 UC.18 | length 590.8
  Top Layer w20: UC.18@210,651.5 210,618.03 308.03,520 643.15,520 700,463.15 QG2.3@700,460
RESET: C5.1 R5.2 RES.2 STM.7 | length 1004.6
  Top Layer w10: STM.7@-1642.6,1092.6 -1608.37,1126.83 -1476.42,1126.83 -1411.63,1191.63 -1411.63,1208.37 -1340.5,1279.5 C5.1 ; C5.1@-1039.75,1284.75 -1034.24,1279.24 -920.25,1279.24 R5.2 ; RES.2@-959.09,1465 -959.09,1319.09 -931.73,1291.73 -931.73,1285.8 -930.93,1285 R5.2@-925,1285
RSTKEY: QG1.3 UC.17 | length 322.8
  Top Layer w20: UC.17@155,621.85 155,595 290,460 QG1.3@395,460
RxComm: Max.1 R'15.1 STM.31 | length 520.7
  Top Layer w10: R'15.1@-2180,820 -2180,824.92 -2150,854.92 -2150,915 Max.1@-2146.57,915 ; R'15.1@-2175,815 -2175,810.08 -2115,750.08 -2115,740 -1966.08,740 STM.31 ; Max.1@-2169.13,913.71 -2162.84,920 -2150,920 Max.1
RxGSM: M1.2 RS15.1 UC.61 | length 548
  Top Layer w20: RS15.1@-75,2045 RS15.1 10,2045 17.4,2037.6 M1.2@14.72,2037.6 ; M1.2@15,2045 20,2040 145,2040 310.71,1874.29 UC.61
SIM-VDD: CS33.1 DU4.2 SIM.C1 UC.12 | length 1913.8
  Top Layer w20: SIM.C1 -795,330 v1@-790,335 ; CS33.1@-220,1100 -219.28,1099.28 -214.24,1099.28 -53.46,938.5 UC.12 13.46,938.5 75,876.97 75,735 -55.65,604.35 -55.65,294.35 -95,255 DU4.2@-95,250 ; DU4.2@-120,265 DU4.2@-116.2,265
  Bottom Layer w20: v1(-785,330) -175,330 v1@-95,250
  other v1: -100,250
SIMCLK: RG3.1 UC.14 | length 669.8
  Top Layer w20: RG3.1@-505,1155 -475,1125 -475,1035 -445,1005 -227.1,1005 -81.55,859.45 -79.88,859.45 -56.58,836.14 UC.14
SIMDATA: RG1.1 UC.13 | length 371
  Top Layer w20: RG1.1@-310,1150 -259.61,1099.61 -259.61,1081.88 -249.14,1071.41 -233.92,1071.41 -70,907.49 -70,887.32
SIMRST: RG4.1 UC.15 | length 893.1
  Top Layer w20: RG4.1@-710,1155 -685,1155 -660,1130 -660,1045 -457.13,842.13 -112.13,842.13 -54.96,784.96 UC.15
StatusLight: RS5.2 UC.54 | length 1059.1
  Top Layer w25: RS5.2 -158.23,1690 -68.23,1780 30,1780 120,1690 635,1690 667.73,1722.73 667.73,1802.73 UC.54@670,1805
SWCLk: JLink.2 R9.2 STM.37 | length 966.1
  Top Layer w10: STM.37@-1705.92,754.08 -1705.92,695.92 -1587.87,577.87 -1152.95,577.87 -1110,534.92 R9.2 -1037.5,457.5 JLink.2
SWIO: JLink.3 R10.1 STM.34 | length 948.8
  Top Layer w10: STM.34@-1825.64,795.64 -1864.25,757.03 -1864.25,709.25 -1794.86,639.86 -1794.58,639.86 -1734.58,579.86 -1618.11,579.86 ; -1615.14,579.86 -1595.28,560 -1290.08,560 -1265,534.92 R10.1 -1265,390.43 -1244.57,370 JLink.3@-1240,370
TxComm: Max.4 R'18.1 STM.30 | length 682.7
  Top Layer w10: Max.4 -2119.01,1070 -2090,1040.99 -2090,795 -2054.14,759.14 -1972.22,759.14 -1932.64,798.72 ; Max.4@-2146.01,1076.29 R'18.1 ; -1933.92,800 STM.30
TxGSM: M2.2 RS18.1 UC.60 | length 474.5
  Top Layer w20: RS18.1 284.92,2051.01 286.73,2049.2 286.73,2044.28 296.41,2034.6 345.09,1985.92 361.89,1969.12 UC.60 361.89,1778.11 UC.60@365,1775 ; RS18.1@285,2045 295.91,2034.09 ; RS18.1@290,2045 298.41,2036.59 347.09,1987.91 ; 300.73,2035.2 M2.2@365,2035.2
UART_RXD: M2.3 RS17.1 STM.13 | length 3208.4
  Top Layer w10: STM.13@-1810,1170 -1740,1170 -1357.15,1552.85 -1089.61,1552.85 -1037.46,1605 -810,1605 -770,1565 -644.72,1565 -572.87,1636.85 -572.87,1657.4 -517.4,1712.87 -443.29,1712.87 -347.54,1808.62 -346.38,1808.62 -280,1875 -280,1980 -250,2010 -202.5,2010 -152.6,2059.9 -152.6,2122.4 -102.87,2172.13 572.87,2172.13 600,2145 600,2070 591.01,2061.01 556.01,2061.01 RS17.1@555,2060
  Top Layer w20: M2.3@455.55,2072.6 538.49,2072.6 551.09,2060 RS17.1@555,2060
UART_TXD: M1.3 RS16.1 STM.12 | length 2521.9
  Top Layer w10: STM.12 -1697.36,1175.75 -1697.36,1177.64 -1382.8,1492.2 -1382.8,1492.6 -1366.03,1509.37 -1365.63,1509.37 -1347.76,1527.24 -1089.94,1527.24 -1037.17,1580.02 -810.3,1580.02 -777.4,1547.13 -632.87,1547.13 -555,1625 -555,1650 -510,1695 -435,1695 -385.75,1744.25 -385.75,1745.14 -340.14,1790.75 -338.97,1790.75 -260,1869.72 -260,1974.72 -242.6,1992.13 -195.1,1992.13 -134.72,2052.5 -134.72,2115 -104.86,2144.86 75.14,2144.86 110,2110 M1.3@110,2075
  Top Layer w20: M1.3@110,2075 161.09,2075 186.09,2050 RS16.1@190,2050
VBAT: CM9.1 CS3.1 CS4.1 CS5.1 DZ1.2 FB1.2 NET.1 STATUS.1 UC.50 UC.51 UC.52 UC.53 | length 2947.9
  Top Layer w25: NET.1 -693.9,1895 v1(-690,1895) -685,1895 -601.1,1895 -560,1936.1 STATUS.1@-560,1945 ; CS4.1 810,1965 CM9.1@820,1975 ; CS3.1 814.63,2105 815,2105.37 CS5.1@815,2110 ; UC.53@720,1785 720,1787.71 723.16,1790.87 UC.52 ; UC.52@770,1770 771.34,1771.34 UC.52 ; UC.52@772.2,1790 807.72,1790 855,1790 ; CM9.1@840,1970 771.34,1901.34 UC.52
  Top Layer w50: -420,2040 -420,1965 FB1.2@-375,1920 ; -320,2080 -320,2085 -290,2115 -215,2115 DZ1.2@-200,2100 ; CM9.1@822.8,1982.2 CS5.1
  Bottom Layer w25: v1(-690,1895) -690,2035 -607.87,2117.13 -392.13,2117.13 -320,2045 -320,2040
  Bottom Layer w50: DZ1.2 -122.8,2022.56 155,2022.56 164.69,2012.87 320,2012.87 ; 320,2022.56 436.77,2022.56 489.33,1970 v1(820,1970) 829.26,1970 832.13,1972.87 833.07,1972.87 840,1965.94
VCC: 5V.1 CM12.1 CM13.1 Max.8 P1.5 R'15.2 R'18.2 RT4.1 | length 2177.2
  Top Layer w20: R'18.2 -2195,1189.92 -2163.71,1221.22 v1@-2163.71,1258.71
  Top Layer w25: P1.5@-2620,970 -2619.5,970.5 -2505.5,970.5 RT4.1 ; P1.5 -2615,965 -2545,895 -2545,800 -2470,725 ; CM13.1@-2606.1,735 -2500,735 CM12.1@-2470,705 ; CM12.1@-2470,690 -2465,695 -2465,690 -2315,540 ; Max.8 -2317.24,920 -2245.37,848.13 -2245.37,649.63 -2315,580 -2315,540 ; 5V.1 -2315,401.1 -2315,540
  Bottom Layer w25: v2@-2465,710 -2135,1040 -2135,1230 v1(-2160,1255)
  other v2: -2470,685
VDD-EXT: M1.1 M2.1 RG2.1 RS15.2 RS18.2 UC.7 | length 2606.7
  Top Layer w20: v1(-215,1950) -209.76,1950 -190.51,1969.25 -180.75,1969.25 -120,2030 -120,2034.88 -111.85,2043.03 -111.85,2068.15 RS15.2@-75,2105 ; RS15.2@-74.54,2104.54 -66.67,2112.4 M1.1@14.72,2112.4 ; RS18.2 284.92,2100 294.92,2110 365,2110 372.87,2110 415,2067.87 415,1980 v1@410,1975
  Top Layer w25: RG2.1 -562.2,1277.8 -505,1335 -375,1335 -365,1345 ; v1@-225,1945 -225,1868.84 -328.46,1765.37 -329.63,1765.37 -360.37,1734.63 -360.37,1695.37 -360,1695 -360,1345 -360,1265 -342.89,1247.89 -190,1247.89 ; -185,1247.89 -165.62,1247.89 -48.8,1364.7 UC.7@-48.8,1418.8
  Bottom Layer w20: v1@-225,1945 -200,1970 v1(415,1970)
pads on no net: CM9.0 CM12.0 M1.0 M2.0 QG1.0 QG2.0 QG3.0 QG4.0 QG8.0 SIM.1 SIM.2 SIM.3 SIM.4 SIM.5 SIM.6 SIM.7 SIM.8 SIM.A SIM.B SIM.C6 STM.1 STM.10 STM.11 STM.16 STM.18 STM.19 STM.21 STM.22 STM.39 STM.40 STM.43 STM.45 STM.46 UC.1 UC.2 UC.3 UC.4 UC.5 UC.9 UC.10 UC.11 UC.16 UC.19 UC.20 UC.21 UC.22 UC.23 UC.24 UC.25 UC.26 UC.27 UC.28 UC.29 UC.30 UC.31 UC.32 UC.33 UC.34 UC.35 UC.36 UC.37 UC.38 UC.39 UC.40 UC.41 UC.55 UC.56 UC.57 UC.58 UC.59 UC.62 UC.63 UC.64 UC.66 usb.1 Y3.3

## Polygon pours and split planes (outlines as drawn)
GND on Bottom Layer "Bottom Layer-GND" (solid, remove dead copper, pour order 2): -2705,1920 -2495,1920 -2230,2185 950,2185 1590,1545 1590,600 1580,600 1455,475 1225,475 1225,470 950,195 -2225,195 -2705,675

## Keep-outs
Keep-Out Layer:
  the board outline again, w10

## Silkscreen, mask and mechanical layers (free items; w line width, h text height)
Top Overlay:
  drawing of 639 lines, arcs and shapes, not listed
  text "MOBS" at -1650,1295 h100
  text "V1.0D9905" at -1815,1210 h100
  text "OFF" at 1405,1110 h80
  text "ON" at 1430,390 h80